# KiCad board pcb.kicad_pcb (continued)
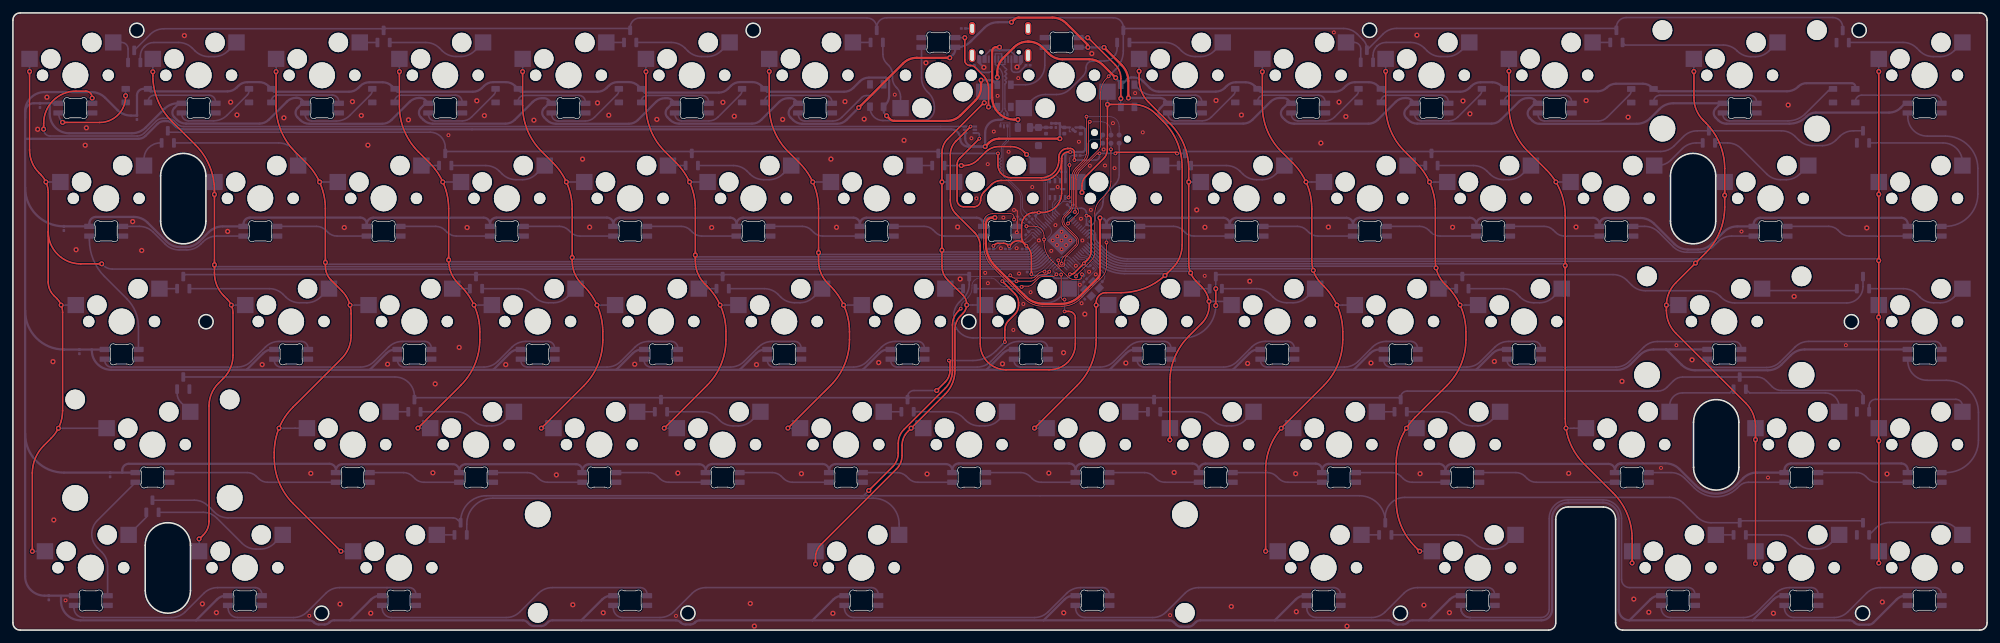
[diagram p0: board, top side]
## Nets
+1V1: C26.2 C33.1 C35.1 U6.23 U6.45 U6.50
+3.3V: C1.1 C25.2 C27.1 C28.1 C29.1 C30.1 C31.1 C32.1 C34.1 C40.1 J1.1 R17.1 U1.8 U6.1 U6.10 U6.22 U6.33 U6.42 U6.43 U6.44 U6.48 U6.49 U7.6 U8.1
GND: C1.2 C9.2 C10.2 C11.2 C12.2 C13.2 C14.2 C15.2 C16.2 C23.1 C24.1 C25.1 C26.1 C27.2 C28.2 C29.2 C30.2 C31.2 C32.2 C33.2 C34.2 C35.2 C39.2 C40.2 D1.1 D2.1 D3.1 D4.1 D5.1 D6.1 D7.1 D8.1 D9.1 D10.1 D11.1 D12.1 D13.1 D14.1 D15.3 D16.3 D17.3 D18.3 D19.3 D20.3 D21.3 D22.3 D23.3 D24.3 D25.3 D26.3 D27.3 D28.3 D29.3 D30.3 D31.3 D32.3 D33.3 D34.3 D35.3 D36.3 D37.3 D38.3 D39.3 D40.3 D41.3 D42.3 D43.3 D44.3 D45.3 D46.3 D47.3 D48.3 D49.3 D50.3 D51.3 D52.3 D53.3 D54.3 D55.3 D56.3 D57.3 D58.3 D59.3 D60.3 D61.3 D62.3 D63.3 D64.3 D65.3 D66.3 D67.3 D68.3 D69.3 D70.3 D71.3 D72.3 D73.3 D74.3 D75.3 D76.3 D77.3 D78.3 D79.3 D80.3 D81.3 D82.3 D83.3 D120.1 FB2.2 J1.5 J2.A1 J2.A12 J2.B1 J2.B12 R3.2 R4.2 U1.4 U1.9 U1.10 U2.2 U6.19 U6.57 U7.2 U8.2 U8.5 Y2.2 Y2.4
VCC: C9.1 C10.1 C11.1 C12.1 C13.1 C14.1 C16.1 C39.1 D1.3 D2.3 D3.3 D4.3 D5.3 D6.3 D7.3 D8.3 D9.3 D10.3 D11.3 D12.3 D13.3 D14.3 D15.1 D16.1 D17.1 D18.1 D19.1 D20.1 D21.1 D22.1 D23.1 D24.1 D25.1 D26.1 D27.1 D28.1 D29.1 D30.1 D31.1 D32.1 D33.1 D34.1 D35.1 D36.1 D37.1 D38.1 D39.1 D40.1 D41.1 D42.1 D43.1 D44.1 D45.1 D46.1 D47.1 D48.1 D49.1 D50.1 D51.1 D52.1 D53.1 D54.1 D55.1 D56.1 D57.1 D58.1 D59.1 D60.1 D61.1 D62.1 D63.1 D64.1 D65.1 D66.1 D67.1 D68.1 D69.1 D70.1 D71.1 D72.1 D73.1 D74.1 D75.1 D76.1 D77.1 D78.1 D79.1 D80.1 D81.1 D82.1 D83.1 FB1.2 U2.5 U7.1 U8.3 U8.4
/BOOT: J1.6 R5.2
/D+: R1.2 U6.46
/D-: R2.2 U6.47
/QSPI_CLK: U1.6 U6.52
/QSPI_CS: R5.1 R17.2 U1.1 U6.56
/QSPI_SD0: U1.5 U6.53
/QSPI_SD1: U1.2 U6.55
/QSPI_SD2: U1.3 U6.54
/QSPI_SD3: U1.7 U6.51
/RGB_5V: D15.4 U7.3
/RGB_DO: U6.29 U7.4
/RST: J1.3 U6.26
/SWD_CLK: J1.4 U6.24
/SWD_IO: J1.2 U6.25
/USB/PORT+: J2.A6 J2.B6 U2.6
/USB/PORT-: J2.A7 J2.B7 U2.4
/USB/USB+: R1.1 U2.1
/USB/USB-: R2.1 U2.3
C0: MX1.1 MX16.1 MX31.1 MX45.1 MX59.1 U6.34
C1: MX2.1 MX17.1 MX32.1 MX60.1 U6.35
C2: MX3.1 MX18.1 MX33.1 MX46.1 MX61.1 U6.36
C3: MX4.1 MX19.1 MX34.1 MX47.1 U6.37
C4: MX5.1 MX20.1 MX35.1 MX48.1 U6.38
C5: MX6.1 MX21.1 MX36.1 MX49.1 U6.39
C6: MX7.1 MX22.1 MX37.1 MX50.1 U6.40
C7: MX8.1 MX23.1 MX38.1 MX51.1 MX62.1 U6.41
C8: MX9.1 MX24.1 MX39.1 MX52.1 U6.18
C9: MX10.1 MX25.1 MX40.1 MX53.1 U6.17
C10: MX11.1 MX26.1 MX41.1 MX54.1 MX63.1 U6.16
C11: MX12.1 MX27.1 MX42.1 MX55.1 MX64.1 U6.15
C12: MX13.1 MX28.1 MX56.1 MX65.1 U6.14
C13: MX14.1 MX29.1 MX43.1 MX57.1 MX66.1 U6.13
C14: MX15.1 MX30.1 MX44.1 MX58.1 MX67.1 U6.12
R0: D84.3 D85.3 D86.3 D87.3 D88.3 D89.3 D90.3 D91.3 U6.2
R1: D92.3 D93.3 D94.3 D95.3 D96.3 D97.3 D98.3 D99.3 U6.3
R2: D100.3 D101.3 D102.3 D103.3 D104.3 D105.3 D106.3 U6.32
R3: D107.3 D108.3 D109.3 D110.3 D111.3 D112.3 D113.3 D114.3 U6.31
R4: D115.3 D116.3 D117.3 D118.3 D119.3 U6.30
Net-(C24-Pad2): C24.2 R20.1 Y2.1
Net-(D1-DIN): D1.2 D15.2
Net-(D1-DOUT): D1.4 D16.4
Net-(D10-DIN): D10.2 D24.2
Net-(D10-DOUT): D10.4 D25.4
Net-(D11-DIN): D11.2 D25.2
Net-(D11-DOUT): D11.4 D26.4
Net-(D12-DIN): D12.2 D26.2
Net-(D12-DOUT): D12.4 D27.4
Net-(D13-DIN): D13.2 D27.2
Net-(D13-DOUT): D13.4 D28.4
Net-(D14-DIN): D14.2 D28.2
Net-(D14-DOUT): D14.4 D29.4
Net-(D16-DOUT): D2.2 D16.2
Net-(D17-DIN): D2.4 D17.4
Net-(D17-DOUT): D3.2 D17.2
Net-(D18-DIN): D3.4 D18.4
Net-(D18-DOUT): D4.2 D18.2
Net-(D19-DIN): D4.4 D19.4
Net-(D19-DOUT): D5.2 D19.2
Net-(D20-DIN): D5.4 D20.4
Net-(D20-DOUT): D6.2 D20.2
Net-(D21-DIN): D6.4 D21.4
Net-(D21-DOUT): D7.2 D21.2
Net-(D22-DIN): D7.4 D22.4
Net-(D22-DOUT): D8.2 D22.2
Net-(D23-DIN): D8.4 D23.4
Net-(D23-DOUT): D9.2 D23.2
Net-(D24-DIN): D9.4 D24.4
Net-(D29-DOUT): D29.2 D44.4
Net-(D30-DIN): D30.4 D31.2
Net-(D30-DOUT): D30.2 D45.4
Net-(D31-DIN): D31.4 D32.2
Net-(D32-DIN): D32.4 D33.2
Net-(D33-DIN): D33.4 D34.2
Net-(D34-DIN): D34.4 D35.2
Net-(D35-DIN): D35.4 D36.2
Net-(D36-DIN): D36.4 D37.2
Net-(D37-DIN): D37.4 D38.2
Net-(D38-DIN): D38.4 D39.2
Net-(D39-DIN): D39.4 D40.2
Net-(D40-DIN): D40.4 D41.2
Net-(D41-DIN): D41.4 D42.2
Net-(D42-DIN): D42.4 D43.2
Net-(D43-DIN): D43.4 D44.2
Net-(D45-DOUT): D45.2 D46.4
Net-(D46-DOUT): D46.2 D47.4
Net-(D47-DOUT): D47.2 D48.4
Net-(D48-DOUT): D48.2 D49.4
Net-(D49-DOUT): D49.2 D50.4
Net-(D50-DOUT): D50.2 D51.4
Net-(D51-DOUT): D51.2 D52.4
Net-(D52-DOUT): D52.2 D53.4
Net-(D53-DOUT): D53.2 D54.4
Net-(D54-DOUT): D54.2 D55.4
Net-(D55-DOUT): D55.2 D56.4
Net-(D56-DOUT): D56.2 D57.4
Net-(D57-DOUT): D57.2 D58.4
Net-(D58-DOUT): D58.2 D72.4
Net-(D59-DIN): D59.4 D60.2
Net-(D59-DOUT): D59.2 D73.4
Net-(D60-DIN): D60.4 D61.2
Net-(D61-DIN): D61.4 D62.2
Net-(D62-DIN): D62.4 D63.2
Net-(D63-DIN): D63.4 D64.2
Net-(D64-DIN): D64.4 D65.2
Net-(D65-DIN): D65.4 D66.2
Net-(D66-DIN): D66.4 D67.2
Net-(D67-DIN): D67.4 D68.2
Net-(D68-DIN): D68.4 D69.2
Net-(D69-DIN): D69.4 D70.2
Net-(D70-DIN): D70.4 D71.2
Net-(D71-DIN): D71.4 D72.2
Net-(D73-DOUT): D73.2 D74.4
Net-(D74-DOUT): D74.2 D75.4
Net-(D75-DOUT): D75.2 D76.4
Net-(D76-DOUT): D76.2 D77.4
Net-(D77-DOUT): D77.2 D78.4
Net-(D78-DOUT): D78.2 D79.4
Net-(D79-DOUT): D79.2 D80.4
Net-(D80-DOUT): D80.2 D81.4
Net-(D81-DOUT): D81.2 D82.4
Net-(D82-DOUT): D82.2 D83.4
Net-(D84-A1): D84.1 MX2.2
Net-(D84-A2): D84.2 MX1.2
Net-(D85-A1): D85.1 MX4.2
Net-(D85-A2): D85.2 MX3.2
Net-(D86-A1): D86.1 MX6.2
Net-(D86-A2): D86.2 MX5.2
Net-(D87-A1): D87.1 MX8.2
Net-(D87-A2): D87.2 MX7.2
Net-(D88-A1): D88.1 MX10.2
Net-(D88-A2): D88.2 MX9.2
Net-(D89-A1): D89.1 MX12.2
Net-(D89-A2): D89.2 MX11.2
Net-(D90-A1): D90.1 MX14.2
Net-(D90-A2): D90.2 MX13.2
Net-(D91-A1): D91.1 MX15.2
Net-(D92-A1): D92.1 MX17.2
Net-(D92-A2): D92.2 MX16.2
Net-(D93-A1): D93.1 MX19.2
Net-(D93-A2): D93.2 MX18.2
Net-(D94-A1): D94.1 MX21.2
Net-(D94-A2): D94.2 MX20.2
Net-(D95-A1): D95.1 MX23.2
Net-(D95-A2): D95.2 MX22.2
Net-(D96-A1): D96.1 MX25.2
Net-(D96-A2): D96.2 MX24.2
Net-(D97-A1): D97.1 MX27.2
Net-(D97-A2): D97.2 MX26.2
Net-(D98-A1): D98.1 MX29.2
Net-(D98-A2): D98.2 MX28.2
Net-(D99-A1): D99.1 MX30.2
Net-(D100-A1): D100.1 MX32.2
Net-(D100-A2): D100.2 MX31.2
Net-(D101-A1): D101.1 MX34.2
Net-(D101-A2): D101.2 MX33.2
Net-(D102-A1): D102.1 MX36.2
Net-(D102-A2): D102.2 MX35.2
Net-(D103-A1): D103.1 MX38.2
Net-(D103-A2): D103.2 MX37.2
Net-(D104-A1): D104.1 MX40.2
Net-(D104-A2): D104.2 MX39.2
Net-(D105-A1): D105.1 MX42.2
Net-(D105-A2): D105.2 MX41.2
Net-(D106-A1): D106.1 MX44.2
Net-(D106-A2): D106.2 MX43.2
Net-(D107-A2): D107.2 MX45.2
Net-(D108-A1): D108.1 MX47.2
Net-(D108-A2): D108.2 MX46.2
Net-(D109-A1): D109.1 MX49.2
Net-(D109-A2): D109.2 MX48.2
Net-(D110-A1): D110.1 MX51.2
Net-(D110-A2): D110.2 MX50.2
Net-(D111-A1): D111.1 MX53.2
Net-(D111-A2): D111.2 MX52.2
Net-(D112-A1): D112.1 MX55.2
Net-(D112-A2): D112.2 MX54.2
Net-(D113-A1): D113.1 MX57.2
Net-(D113-A2): D113.2 MX56.2
Net-(D114-A1): D114.1 MX58.2
Net-(D115-A1): D115.1 MX60.2
Net-(D115-A2): D115.2 MX59.2
Net-(D116-A1): D116.1 MX62.2
Net-(D116-A2): D116.2 MX61.2
Net-(D117-A1): D117.1 MX64.2
Net-(D117-A2): D117.2 MX63.2
Net-(D118-A1): D118.1 MX66.2
Net-(D118-A2): D118.2 MX65.2
Net-(D119-A1): D119.1 MX67.2
Net-(D120-A2): C15.1 D120.2 F1.2 FB1.1
Net-(F1-Pad1): F1.1 J2.A4 J2.A9 J2.B4 J2.B9
Net-(J2-CC1): J2.A5 R3.1
Net-(J2-CC2): J2.B5 R4.1
Net-(J2-SHIELD): FB2.1 J2.S1
Net-(U6-XTAL_IN): C23.2 U6.20 Y2.3
Net-(U6-XTAL_OUT): R20.2 U6.21

Pads without a net: D83 2; D91 2; D99 2; D107 1; D114 2; D119 2; J2 A8 B8 S2 S3 S4; U6 4 5 6 7 8 9 11 27 28; U7 5

## Via types
v1: diameter 0.8, hole 0.4, Top to Bottom, 222 vias
v2: diameter 0.6, hole 0.3, Top to Bottom, 106 vias

## Routing (per net, layer and track width the routed paths; a pad name or vN(x,y) marks a point on that pad's centre or on a via; arc(x,y) is an arc through that point)
+1V1: length 25.4
  Top w0.128: v2(165.19,55.06) 165.19,54.73 arc(165.05,54.38) 164.69,54.23 164.06,54.23 arc(163.5,54.34) 163.02,54.66 162.82,54.86 162.82,54.86 160.5,57.19 arc(159.63,58.49) 159.33,60.02 v2(159.33,60.44) 159.33,61 arc(158.89,62.06) 157.83,62.5 v2(156.6,62.5)
  Bottom w0.128: C33.1 156.6,62.63 v2(156.6,62.5) 156.6,62.2 arc(156.64,62) 156.75,61.83 C26.2 157.21,61.86 arc(157.56,62.01) 157.92,61.86 U6.45 ; U6.23 165.44,56.03 arc(165.7,55.43) C35.1 165.44,54.82 v2(165.19,55.06) ; v2(159.33,60.44) 159.48,60.29 160.19,61 arc(160.48,61.71) 160.19,62.42 U6.50
+3.3V: length 144.2
  Top w0.25: v2(163.32,55.06) 163.52,55.06 arc(163.78,55.11) 164,55.26 v2(165.48,56.74) 166.02,57.28 arc(166.45,57.93) 166.61,58.69 166.61,63.62 arc(166.46,63.97) 166.11,64.12 v2(165.89,64.12) ; v2(151.51,59.45) 151.67,59.62 arc(151.93,59.79) 152.24,59.85 153.1,59.85 arc(153.41,59.79) 153.67,59.62 153.89,59.4 v2(153.95,59.4) 153.95,59.4 154.42,59.87 arc(155.31,60.24) 156.2,59.87 v2(156.6,59.47) ; v2(156.6,59.47) 156.79,59.28 arc(157.22,58.63) 157.38,57.86 v2(157.38,55.09) ; v2(156.6,59.47) 156.32,59.75 arc(155.98,60.26) 155.86,60.86 155.86,62.62 arc(156.44,64.03) 157.86,64.62 v2(158.53,64.62) 159.05,64.62 arc(161.17,65.5) 162.05,67.62 162.05,72.98 ; v2(163.37,73.98) 163.05,73.98 arc(162.34,73.68) 162.05,72.98 ; 162.05,72.98 162.05,72.58 arc(161.17,70.46) 159.05,69.58 152.7,69.58 arc(151.9,69.42) 151.22,68.97 150.07,67.81 arc(149.67,67.21) 149.53,66.5 arc(149.23,65.79) 148.53,65.5 146.89,65.5 arc(146.19,65.79) 145.89,66.5 145.89,72.03 arc(146,72.56) 146.3,73.02 v2(149.34,76.05)
  Bottom w0.128: C25.2 151.78,58.97 152.47,59.67 arc(152.64,59.78) 152.83,59.81 153.94,59.81 arc(154.13,59.85) 154.29,59.96 154.54,60.21 arc(154.71,60.32) 154.9,60.36 156.11,60.36 arc(156.3,60.4) 156.46,60.51 157.44,61.49 arc(157.59,61.55) 157.73,61.49 U6.44 ; C30.1 157.73,55.4 arc(158.5,55.55) 159.15,55.99 U6.33 ; U6.49 158,64.04 C27.1 158,63.68 arc(158.04,63.49) 158.15,63.33 U6.48 ; U6.22 164.66,57.38 165.14,57.38 arc(165.53,57.3) 165.85,57.09 C29.1 ; U6.42 157.16,59.08 arc(157.03,59) 156.88,58.97 156.61,58.97 C31.1 ; C34.1 154.24,58.98 154.98,59.73 arc(155.31,59.94) 155.69,60.02 156.49,60.02 arc(156.88,60.1) 157.2,60.31 U6.43 ; U6.1 163.41,65.34 C32.1 ; 165.96,62.8 165.96,62.8 U6.10
  Bottom w0.25: C27.1 158.52,64.62 v2(158.53,64.62) ; R17.1 C32.1 163.47,65.28 165.09,65.28 arc(165.65,65.05) 165.89,64.48 v2(165.89,64.12) 165.89,62.84 C28.1 166.03,62.69 arc(166.39,62.55) 166.74,62.69 166.94,62.9 arc(167.16,63.22) 167.24,63.6 167.24,63.8 arc(167.31,64.18) 167.53,64.5 167.86,64.83 arc(168.29,65.48) 168.45,66.25 168.45,66.3 arc(168.6,67.06) 169.03,67.71 170.35,69.03 arc(170.78,69.68) 170.94,70.44 J1.1 ; C34.1 153.95,59.03 v2(153.95,59.4) ; C30.1 157.38,54.88 157.39,54.87 160.34,54.87 arc(160.5,54.84) 160.63,54.75 160.82,54.56 arc(160.95,54.47) 161.11,54.44 162.92,54.44 arc(163.2,54.56) 163.32,54.84 v2(163.32,55.06) ; v2(156.6,59.47) C31.1 ; C29.1 166.5,56.43 166.36,56.29 arc(166.15,56.2) 165.93,56.29 v2(165.48,56.74) ; v2(151.51,59.45) C25.2 ; U7.6 149.11,76.92 arc(149.27,76.85) 149.34,76.7 v2(149.34,76.05)
  Bottom w0.35: 164.22,77.78 165.23,77.78 arc(165.58,77.63) 165.73,77.28 165.73,74.48 arc(165.58,74.12) 165.23,73.98 163.11,73.98 arc(162.77,73.83) 162.62,73.49 U1.8
GND: length 11.6
  Top w0.128: v2(155.12,61.54) 155.2,61.62 155.2,64.79 arc(155.14,64.94) 154.99,65 v2(154.69,65)
  Bottom w0.128: v2(165.14,50.57) 164.91,50.8 arc(164.74,51.05) 164.68,51.35 164.68,53.89 arc(164.71,54.04) 164.8,54.17 C35.2
  Bottom w0.35: v1(150.03,87.07) 149.34,87.76 J2.A1 ; U8.5 164.1,77.13 U8.2 ; J2.A12 155.74,87.7 v1(155.16,87.12)
  vias: v1(3.82,77.49) v1(5.25,82.45) v1(6.19,41.54) v1(6.31,17.04) v1(9.76,58.86) v1(11.17,75.02) v1(11.35,77.72) v1(18.5,63.21) v1(19.9,58.74) v1(26.49,91.99) v1(29.28,4.06) v1(31.44,2.7) v1(33.18,61.69) v1(33.64,81.69) v1(34.62,79.72) v1(38.52,41.08) v1(41.87,79.27) v1(46.03,24.25) v1(50.55,4.02) v1(51.2,62.29) v1(52.46,81.77) v1(53.83,79.62) v1(54.85,75.04) v1(55.29,2.61) v1(57.89,41.14) v1(61.12,78.96) v1(64.89,24.34) v1(65.25,38.1) v1(68.96,43.74) v1(70.18,62.29) v1(71.68,81.9) v1(72.85,79.61) v1(76.15,41.08) v1(80.5,78.9) v1(83.98,24.02) v1(86.52,3.92) v1(88.02,72.88) v1(89.11,62.35) v1(90.33,81.58) v1(91.22,2.68) v1(92.07,79.67) v1(96.08,41.14) v1(99.5,79.02) v1(102.74,24.29) v1(107.97,62.29) v1(109.71,81.66) v1(111.47,79.52) v1(113.94,4.11) v1(114.57,0.62) v1(114.9,41.08) v1(118.94,79.02) v1(121.84,24.2) v1(126.4,72.88) v1(126.7,2.59) v1(127.26,62.33) v1(128.57,81.78) v1(131.54,79.07) v1(133.78,41.39) v1(137.7,75.78) v1(141.08,87.79) v1(141.26,24.16) v1(145.97,62.37) v1(146.37,54.33) v1(152.91,41.2) v1(160.07,24.29) v1(162.35,42.92) v1(162.37,2.67) v1(165.63,48.89) v1(166.71,89.21) v1(171.97,41.33) v1(179.44,24.39) v1(182.92,65.02) v1(184.19,62.33) v1(185.91,81.95) v1(188.27,3.64) v1(189.83,79.7) v1(190.79,41.26) v1(191.12,53.99) v1(198.21,24.2) v1(198.32,2.84) v1(202.11,75.36) v1(203.27,62.37) v1(204.91,81.7) v1(205.96,79.47) v1(206.14,0.61) v1(209.85,41.33) v1(216.95,92.06) v1(217.44,24.2) v1(218.03,3.85) v1(221.97,2.7) v1(222.46,62.33) v1(224.07,81.88) v1(225.14,79.89) v1(228.92,41.57) v1(240.4,24.25) v1(241.54,62.37) v1(243.1,81.94) v1(248.64,38.49) v1(249.59,79.37) v1(250.46,4.79) v1(252.78,2.76) v1(259.47,41.82) v1(272.04,2.6) v1(274.32,81.25) v1(275.24,51.63) v1(286.46,62.23) v1(288.87,4.34) v1(289.59,24.16) v2(8.13,4.6) v2(45.8,2.2) v2(67.3,76.58) v2(102.46,2.19) v2(136.27,82.85) v2(148.11,76.11) v2(148.88,66.81) v2(150.24,55.28) v2(150.63,72.1) v2(150.66,53.68) v2(151.57,77.15) v2(152.16,82.66) v2(152.66,59.09) v2(153.04,63.83) v2(153.85,74.01) v2(154.59,46.44) v2(155.1,59.1) v2(155.35,85.41) v2(155.47,55.17) v2(156.13,50.46) v2(157.25,52.28) v2(157.51,68.55) v2(158.53,60.3) v2(160.45,58.68) v2(160.69,60.29) v2(161.1,62.66) v2(161.39,60.93) v2(161.33,59.59) v2(161.44,68.57) v2(162.04,61.64) v2(162.04,60.29) v2(162.04,58.94) v2(162.68,60.94) v2(162.73,59.58) v2(163.38,60.29) v2(164.25,56.38) v2(164.72,75.56) v2(164.86,53.43) v2(165.04,63.65) v2(165.26,60.29) v2(166.29,55.44) v2(166.41,71.85) v2(166.57,65.02) v2(167.33,55.05) v2(168.55,74.37) v2(168.75,71.89) v2(169.98,78.44) v2(170.23,71.48) v2(173.4,83.09) v2(174.59,77.02) v2(178.81,2.31) v2(184.16,54.81) v2(204.12,92.49) v2(254.67,25.09) v2(257.05,44.08) v2(267.11,61.68) v2(271.2,23.6) v2(283.24,44.09)
VCC: length 2382.9
  Top w0.35: v1(135,79.59) 135.5,79.09 arc(135.82,78.87) 136.21,78.8 144.32,78.8 arc(145.47,79.02) 146.44,79.67 148.73,81.96 arc(149.38,82.93) 149.61,84.08 v1(149.61,85.09) ; v1(152.11,85.53) 152.11,86.36 arc(152.34,87.51) 152.99,88.48 154.69,90.18 arc(155.66,90.83) 156.81,91.06 156.95,91.06 arc(158.1,90.83) 159.08,90.18 160.05,89.2 arc(161.03,88.55) 162.18,88.32 166.3,88.32 arc(167.45,88.1) 168.42,87.45 v1(170.4,85.47) ; v1(168.6,90.16) 171.32,87.43 arc(172.09,86.29) 172.36,84.94 172.36,82.36 v1(172.38,82.34) ; v1(144.77,88.56) 139.66,88.56 arc(138.51,88.33) 137.54,87.68 v1(130.7,80.84) ; v1(161.78,76.04) 152.34,76.04 arc(151.52,75.88) 150.81,75.41 v1(150.23,74.82) ; v1(151.73,63.83) 151.34,63.83 arc(150.63,63.54) 150.34,62.83 150.34,59.82 arc(150.72,57.91) 151.8,56.28 156.43,51.65 arc(157.73,50.79) 159.26,50.48 161.98,50.48 arc(163.51,50.79) 164.81,51.65 167.68,54.53 arc(167.9,54.85) 167.97,55.23 167.97,63.83 ; v1(154.3,94.06) 154.72,94.49 arc(155.05,94.7) 155.43,94.78 160.63,94.78 arc(161.78,94.55) 162.75,93.9 166.11,90.55 v1(166.11,90.17)
  Bottom w0.128: U8.3 163.24,77.22 163.24,77.7 163.33,77.8
  Bottom w0.35: D29.1 292.4,81.52 291.7,80.82 arc(290.88,80.27) 289.91,80.08 278.59,80.08 arc(277.82,79.93) 277.17,79.49 277.12,79.44 arc(275.92,78.64) 274.51,78.36 264.78,78.36 arc(264.09,78.5) 263.51,78.89 263.1,79.29 arc(262.81,80) 263.1,80.71 263.92,81.52 D28.1 256.56,81.52 arc(255.42,81.29) 254.44,80.64 253.02,79.22 arc(252.05,78.57) 250.9,78.34 235.9,78.34 arc(235.31,78.46) 234.82,78.79 234.35,79.25 arc(234.06,79.96) 234.35,80.67 235.21,81.52 D27.1 235.13,82.04 arc(234.81,82.26) 234.42,82.33 234.11,82.33 arc(233.34,82.18) 232.69,81.75 229.91,78.96 arc(229.26,78.52) 228.49,78.37 217,78.37 arc(216.24,78.52) 215.59,78.96 215.29,79.25 arc(215,79.96) 215.29,80.67 216.15,81.52 D26.1 216.08,82.04 arc(215.76,82.26) 215.37,82.33 215.1,82.33 arc(214.33,82.18) 213.68,81.75 210.89,78.95 arc(210.24,78.51) 209.47,78.36 197.97,78.36 arc(197.21,78.51) 196.56,78.95 196.23,79.28 arc(195.94,79.98) 196.23,80.69 197.06,81.52 D25.1 197.02,82.05 arc(196.7,82.26) 196.31,82.34 195.74,82.34 arc(194.97,82.19) 194.32,81.76 191.53,78.96 arc(190.88,78.52) 190.11,78.37 179.07,78.37 arc(178.31,78.52) 177.66,78.96 177.28,79.34 arc(176.99,80.04) 177.28,80.75 178.05,81.52 D24.1 177.97,82.05 arc(177.65,82.26) 177.26,82.34 172.38,82.34 v1(172.38,82.34) ; 1.88,30.37 1.88,49.42 ; 1.88,30.37 1.88,8.33 arc(2.76,6.2) 4.88,5.33 9.43,5.33 ; 1.88,30.37 arc(3.64,26.12) 7.88,24.37 16.89,24.37 ; 1.88,49.42 1.88,68.48 ; 1.88,49.42 arc(3.64,45.17) 7.88,43.42 12.19,43.42 ; D51.1 135.29,43.42 arc(134.52,43.27) 133.87,42.83 131.31,40.27 ; 159.27,1.51 162.49,4.73 arc(163.14,5.17) 163.91,5.32 164.22,5.32 ; 159.27,1.51 123.55,1.51 ; 159.27,1.51 178.67,1.51 arc(179.05,1.44) 179.38,1.22 179.77,0.82 arc(180.1,0.61) 180.48,0.53 181.66,0.53 arc(182.05,0.61) 182.37,0.82 182.77,1.22 arc(183.09,1.44) 183.47,1.51 194.99,1.51 ; 12.19,43.42 12.19,43.27 arc(13.07,41.15) 15.19,40.27 36.1,40.27 ; 12.19,43.42 14.19,43.42 D45.1 ; 194.99,1.51 212.52,1.51 arc(212.9,1.44) 213.23,1.22 213.28,1.16 arc(213.61,0.95) 213.99,0.87 214.79,0.87 arc(215.18,0.95) 215.5,1.16 215.56,1.22 arc(215.88,1.44) 216.26,1.51 218.8,1.51 ; 194.99,1.51 198.21,4.73 arc(198.86,5.17) 199.63,5.32 199.94,5.32 ; D48.1 78.19,43.42 arc(77.42,43.27) 76.77,42.83 74.21,40.27 ; D56.1 230.07,43.42 arc(229.3,43.27) 228.65,42.83 226.09,40.27 ; 292.8,5.32 292.49,5.32 arc(291.72,5.17) 291.07,4.73 287.47,1.13 arc(287.15,0.92) 286.76,0.84 285.3,0.84 arc(284.92,0.92) 284.59,1.13 284.51,1.22 arc(284.18,1.44) 283.8,1.51 268.81,1.51 ; 268.81,1.51 272.03,4.73 arc(272.68,5.17) 273.45,5.32 273.76,5.32 ; 268.81,1.51 249.79,1.51 ; 188.5,40.27 191.06,42.83 arc(191.71,43.27) 192.48,43.42 D54.1 ; 188.5,40.27 207.17,40.27 ; 188.5,40.27 169.44,40.27 ; 28.3,1.51 10.43,1.51 arc(8.3,2.39) 7.43,4.51 7.43,5.31 ; 28.3,1.51 45.78,1.51 arc(46.16,1.44) 46.49,1.22 46.54,1.16 arc(46.87,0.95) 47.25,0.87 48.17,0.87 arc(48.56,0.95) 48.88,1.16 48.94,1.22 arc(49.26,1.44) 49.64,1.51 52.11,1.51 ; 28.3,1.51 31.52,4.73 arc(32.17,5.17) 32.94,5.32 33.25,5.32 ; 112.3,40.27 131.31,40.27 ; 112.3,40.27 93.22,40.27 ; 112.3,40.27 114.86,42.83 arc(115.51,43.27) 116.28,43.42 D50.1 ; 131.31,40.27 150.42,40.27 ; 92.78,5.32 92.47,5.32 arc(91.7,5.17) 91.05,4.73 87.83,1.51 ; 52.11,1.51 78.79,1.51 arc(79.17,1.44) 79.5,1.22 79.79,0.92 arc(80.12,0.71) 80.5,0.63 81.66,0.63 arc(82.05,0.71) 82.37,0.92 82.67,1.22 arc(82.99,1.44) 83.37,1.51 87.83,1.51 ; 52.11,1.51 55.33,4.73 arc(55.98,5.17) 56.75,5.32 57.06,5.32 ; 111.82,62.82 D35.1 111.82,62.82 ; 111.82,62.82 arc(111.53,63.53) 110.82,63.82 93.77,63.82 arc(93.07,63.53) 92.77,62.82 D34.1 92.77,62.83 arc(92.48,63.54) 91.77,63.83 74.72,63.83 arc(74.02,63.54) 73.72,62.83 D33.1 73.72,62.82 arc(73.43,63.53) 72.72,63.82 55.67,63.82 arc(54.97,63.53) 54.67,62.82 D32.1 54.67,62.83 arc(54.38,63.54) 53.67,63.83 36.62,63.83 arc(35.92,63.54) 35.62,62.83 D31.1 32.4,62.47 arc(31.25,62.24) 30.28,61.59 28.83,60.14 arc(27.85,59.49) 26.7,59.26 25.84,59.26 arc(24.69,59.49) 23.72,60.14 20.81,63.05 arc(19.83,63.7) 18.68,63.93 12.81,63.93 arc(12.1,63.64) 11.81,62.93 D30.1 11.81,62.48 7.88,62.48 arc(3.64,64.23) 1.88,68.48 ; 111.82,62.82 arc(112.12,63.53) 112.82,63.82 129.87,63.82 arc(130.58,63.53) 130.87,62.82 D36.1 130.87,62.81 arc(131.17,63.52) 131.87,63.81 148.92,63.81 arc(149.63,63.52) 149.92,62.81 D37.1 149.92,62.83 arc(150.22,63.54) 150.92,63.83 151.73,63.83 v1(151.73,63.83) ; 123.55,1.51 106.14,1.51 arc(105.76,1.44) 105.44,1.22 105.38,1.16 arc(105.06,0.95) 104.67,0.87 103.91,0.87 arc(103.53,0.95) 103.2,1.16 103.15,1.22 arc(102.82,1.44) 102.44,1.51 87.83,1.51 ; 123.55,1.51 126.77,4.73 arc(127.42,5.17) 128.19,5.32 128.5,5.32 ; 207.17,40.27 226.09,40.27 ; 207.17,40.27 209.73,42.83 arc(210.38,43.27) 211.15,43.42 D55.1 ; 226.09,40.27 247.86,40.27 arc(249,40.5) 249.98,41.15 251.37,42.54 arc(252.34,43.19) 253.49,43.42 255.44,43.42 ; v1(154.3,94.06) 152.21,94.06 arc(151.06,93.83) 150.09,93.18 147.97,91.06 arc(146.99,90.41) 145.84,90.18 D22.1 145.6,89.81 arc(145.52,89.42) 145.31,89.1 v1(144.77,88.56) ; D58.1 276.85,43.42 arc(275.7,43.19) 274.73,42.54 273.27,41.08 arc(272.29,40.43) 271.14,40.2 259.95,40.2 arc(258.8,40.43) 257.83,41.08 255.49,43.42 255.44,43.42 ; D47.1 59.12,43.42 arc(58.35,43.27) 57.7,42.83 55.14,40.27 ; D14.3 284.7,84.07 arc(284.53,84.47) 284.14,84.63 277.15,84.63 arc(276.46,84.49) 275.88,84.11 arc(275.07,83.57) 274.12,83.38 254.29,83.38 arc(253.9,83.45) 253.58,83.67 D13.3 253.29,83.95 arc(252.64,84.39) 251.88,84.54 247.71,84.54 arc(246.94,84.39) 246.29,83.95 arc(245.65,83.53) 244.89,83.38 230.81,83.38 D12.3 230,84.18 arc(229.35,84.62) 228.59,84.77 226.78,84.77 arc(226.01,84.62) 225.36,84.18 225.06,83.89 arc(224.41,83.45) 223.65,83.3 211.83,83.3 D11.3 210.93,84.19 arc(210.28,84.63) 209.52,84.78 207.38,84.78 arc(206.61,84.63) 205.96,84.19 205.65,83.89 arc(205,83.45) 204.24,83.3 192.78,83.3 D10.3 191.89,84.18 arc(191.24,84.62) 190.48,84.77 188.97,84.77 arc(188.2,84.62) 187.55,84.18 187.27,83.91 arc(186.62,83.47) 185.86,83.32 177.07,83.32 arc(176.3,83.47) 175.65,83.91 174.63,84.92 arc(173.98,85.36) 173.22,85.51 172.84,85.51 arc(172.46,85.43) 172.14,85.22 171.32,84.4 D9.3 171.2,84.61 170.4,85.41 v1(170.4,85.47) ; 1.88,68.48 1.88,76.02 ; 74.21,40.27 93.22,40.27 ; 74.21,40.27 55.14,40.27 ; D53.1 173.42,43.42 arc(172.65,43.27) 172,42.83 169.44,40.27 ; 16.89,24.37 18.95,24.37 D59.1 ; 16.89,24.37 16.89,24.73 arc(17.18,25.44) 17.89,25.73 48.91,25.73 arc(49.62,25.44) 49.91,24.73 D60.1 49.91,24.68 arc(50.2,25.39) 50.91,25.68 67.96,25.68 arc(68.67,25.39) 68.96,24.68 D61.1 68.96,24.67 arc(69.25,25.38) 69.96,25.67 87.01,25.67 arc(87.72,25.38) 88.01,24.67 D62.1 88.01,24.66 arc(88.3,25.37) 89.01,25.66 106.06,25.66 arc(106.77,25.37) 107.06,24.66 107.06,24.37 107.06,24.7 arc(107.35,25.41) 108.06,25.7 125.11,25.7 arc(125.82,25.41) 126.11,24.7 D64.1 126.11,24.69 arc(126.4,25.4) 127.11,25.69 144.16,25.69 arc(144.87,25.4) 145.16,24.69 D65.1 145.16,24.78 arc(145.45,25.49) 146.16,25.78 163.21,25.78 arc(163.92,25.49) 164.21,24.78 D66.1 164.21,24.77 arc(164.5,25.48) 165.21,25.77 182.26,25.77 arc(182.97,25.48) 183.26,24.77 D67.1 183.26,24.76 arc(183.55,25.47) 184.26,25.76 201.31,25.76 arc(202.02,25.47) 202.31,24.76 D68.1 202.31,24.72 arc(202.6,25.43) 203.31,25.72 220.36,25.72 arc(221.07,25.43) 221.36,24.72 D69.1 221.36,24.71 arc(221.65,25.42) 222.36,25.71 246.56,25.71 arc(247.26,25.42) 247.56,24.71 D70.1 247.56,24.8 247.56,24.89 247.59,25.06 247.65,25.22 247.73,25.37 247.85,25.51 247.98,25.62 248.13,25.71 248.3,25.77 248.47,25.8 248.56,25.8 255.37,25.8 arc(256.52,25.57) 257.5,24.92 260.01,22.41 arc(263.14,21.11) 266.27,22.41 267.35,23.49 arc(268.33,24.14) 269.48,24.37 D71.1 273.75,24.78 arc(274.04,25.49) 274.75,25.78 291.8,25.78 arc(292.51,25.49) 292.8,24.78 D72.1 ; D44.1 292.8,62.8 arc(292.51,63.51) 291.8,63.8 269.99,63.8 arc(269.28,63.51) 268.99,62.8 D43.1 266.47,62.47 arc(265.32,62.24) 264.35,61.59 262.53,59.77 arc(261.55,59.12) 260.4,58.89 258.83,58.89 arc(257.68,59.12) 256.71,59.77 253.59,62.89 arc(252.61,63.54) 251.46,63.77 246.17,63.77 arc(245.47,63.48) 245.17,62.77 D42.1 245.17,62.79 arc(244.88,63.5) 244.17,63.79 227.12,63.79 arc(226.42,63.5) 226.12,62.79 D41.1 226.12,62.8 arc(225.83,63.51) 225.12,63.8 208.07,63.8 arc(207.37,63.51) 207.07,62.8 D40.1 207.07,62.79 arc(206.78,63.5) 206.07,63.79 189.02,63.79 arc(188.32,63.5) 188.02,62.79 D39.1 188.02,62.8 arc(187.73,63.51) 187.02,63.8 169.97,63.8 arc(169.27,63.51) 168.97,62.8 D38.1 168.97,62.83 arc(168.77,63.44) 168.23,63.8 168.01,63.8 ; 1.88,76.02 1.88,79.26 ; 1.88,76.02 19.41,76.02 arc(19.98,76.14) 20.47,76.46 22.33,78.32 arc(22.81,78.65) 23.39,78.76 23.7,78.76 arc(24.28,78.65) 24.76,78.32 25.16,77.93 arc(25.64,77.6) 26.22,77.49 144.97,77.49 arc(145.96,77.08) 146.37,76.09 arc(146.74,75.19) 147.64,74.82 150.22,74.82 ; 1.88,79.26 1.88,80.16 arc(2.28,81.13) 3.24,81.53 5.7,81.53 ; 1.88,79.26 1.88,80.25 arc(2.76,82.37) 4.88,83.25 12.12,83.25 arc(13.27,83.02) 14.25,82.37 16.12,80.49 arc(17.1,79.84) 18.24,79.62 19.17,79.62 19.17,82.75 arc(19.46,83.46) 20.17,83.75 D1.3 21.27,83.36 33.15,83.36 arc(33.91,83.51) 34.56,83.95 34.82,84.2 arc(35.47,84.64) 36.24,84.79 38.06,84.79 arc(38.82,84.64) 39.47,84.2 D2.3 40.38,83.3 51.94,83.3 arc(52.7,83.45) 53.35,83.89 53.65,84.18 arc(54.3,84.62) 55.07,84.77 57.13,84.77 arc(57.89,84.62) 58.54,84.18 D3.3 59.43,83.3 71.06,83.3 arc(71.82,83.45) 72.47,83.89 72.79,84.2 arc(73.44,84.64) 74.21,84.79 76.18,84.79 arc(76.94,84.64) 77.59,84.2 78.03,83.77 D4.3 78.48,83.3 90.31,83.3 arc(91.07,83.45) 91.72,83.89 92.05,84.21 arc(92.7,84.65) 93.47,84.8 95.2,84.8 arc(95.96,84.65) 96.61,84.21 D5.3 97.66,83.17 109.07,83.17 arc(109.83,83.32) 110.48,83.75 110.94,84.21 arc(111.59,84.65) 112.36,84.8 114.25,84.8 arc(115.01,84.65) 115.66,84.21 116.12,83.76 D6.3 116.57,83.3 128.43,83.3 arc(129.19,83.45) 129.84,83.89 130.86,84.9 arc(131.51,85.34) 132.28,85.49 134.87,85.49 arc(135.24,85.34) 135.39,84.97 135.39,82.67 arc(135.23,81.9) 134.8,81.25 D7.3 134.54,80.46 arc(134.61,80.08) 134.83,79.76 v1(135,79.59) ; 169.44,40.27 150.42,40.27 ; U2.5 153.14,79.46 arc(152.99,79.11) 152.64,78.96 152.23,78.96 arc(150.81,78.37) 150.23,76.96 v1(150.23,74.82) 148.41,74.82 arc(147.51,75.19) 147.14,76.1 U7.1 ; 93.22,40.27 95.78,42.83 arc(96.43,43.27) 97.2,43.42 D49.1 ; v1(130.7,80.84) 128.79,78.93 arc(128.14,78.5) 127.37,78.34 121.96,78.34 arc(121.2,78.5) 120.55,78.93 120.15,79.32 arc(119.86,80.03) 120.15,80.74 120.94,81.52 D21.1 120.85,82.02 arc(120.53,82.24) 120.14,82.31 119.82,82.31 arc(119.05,82.16) 118.4,81.73 115.63,78.95 arc(114.98,78.51) 114.21,78.36 102.95,78.36 arc(102.19,78.51) 101.54,78.95 101.15,79.34 arc(100.86,80.04) 101.15,80.75 101.92,81.52 D20.1 101.8,82.02 arc(101.48,82.24) 101.09,82.31 100.79,82.31 arc(100.02,82.16) 99.37,81.73 96.58,78.93 arc(95.93,78.5) 95.16,78.34 83.9,78.34 arc(83.14,78.5) 82.49,78.93 82.07,79.34 arc(81.78,80.05) 82.07,80.76 82.84,81.52 D19.1 82.75,82.02 arc(82.43,82.24) 82.04,82.31 81.73,82.31 arc(80.96,82.16) 80.31,81.73 77.54,78.95 arc(76.89,78.51) 76.12,78.36 64.85,78.36 arc(64.09,78.51) 63.44,78.95 63.03,79.36 arc(62.74,80.06) 63.03,80.77 63.78,81.52 D18.1 64.2,81.52 63.67,82.05 arc(63.34,82.27) 62.96,82.34 62.73,82.34 arc(61.96,82.19) 61.31,81.76 58.49,78.93 arc(57.84,78.5) 57.07,78.34 45.8,78.34 arc(45.04,78.5) 44.39,78.93 43.96,79.35 arc(43.67,80.06) 43.96,80.77 44.72,81.52 D17.1 44.6,82.07 arc(44.28,82.29) 43.89,82.36 43.75,82.36 arc(42.98,82.21) 42.33,81.78 39.52,78.96 arc(38.87,78.52) 38.1,78.37 26.75,78.37 arc(25.99,78.52) 25.34,78.96 24.93,79.37 arc(24.64,80.07) 24.93,80.78 25.67,81.52 D16.1 25.51,81.52 arc(24.36,81.29) 23.39,80.64 20.51,77.76 arc(19.53,77.11) 18.38,76.88 8.69,76.88 arc(6.57,77.76) 5.69,79.88 5.69,81.51 5.7,81.53 ; v1(149.61,85.09) 150.99,85.09 arc(151.37,85.01) 151.69,84.79 D8.3 152.1,85.52 v1(152.11,85.53) ; 150.42,40.27 152.98,42.83 arc(153.63,43.27) 154.4,43.42 D52.1 ; 249.79,1.51 253.02,4.73 arc(253.67,5.17) 254.43,5.32 254.74,5.32 ; 249.79,1.51 arc(248.62,2) 248.14,3.17 248.14,17.26 arc(247.42,19) 245.68,19.72 240.35,19.72 arc(238.56,18.98) 237.82,17.19 237.82,3.12 arc(237.35,1.98) 236.21,1.51 218.8,1.51 ; 36.1,40.27 55.14,40.27 ; 36.1,40.27 38.66,42.83 arc(39.31,43.27) 40.08,43.42 D46.1 ; v1(168.6,90.16) 168.59,90.17 v1(166.11,90.17) 164.66,90.17 D23.1 ; 255.44,43.42 D57.1 ; 5.7,81.53 7.04,81.53 ; 161.78,78.42 161.17,78.42 C16.1 161.15,78.42 FB1.2 ; 161.78,78.42 161.78,78.28 arc(161.92,77.93) 162.28,77.78 C39.1 163.32,77.78 ; 161.78,78.42 v1(161.78,76.04) ; 223.75,5.32 223.44,5.32 arc(222.67,5.17) 222.02,4.73 218.8,1.51
  vias: v1(167.98,63.79)
/BOOT: length 5.8
  Bottom w0.128: 168.4,76.61 168.2,76.41 168.2,76.16 arc(168.15,76.02) 168,75.96 166.92,75.96 arc(166.35,75.73) 166.12,75.16 166.12,74.24 arc(165.88,73.67) 165.32,73.44 R5.2 ; 168.32,76.4 168.4,76.4
/D+: length 2.2
  Bottom w0.128: 157.03,63.15 157.19,63.15 U6.46
/D-: length 2.2
  Bottom w0.128: U6.47 157.5,63.41 157.5,63.62
/QSPI_CLK: length 8.6
  Bottom w0.128: U1.6 161.03,69.73 160.78,69.98 arc(160.62,70.08) 160.43,70.12 160.02,70.12 arc(159.71,69.99) 159.58,69.68 159.58,64.58 arc(159.65,64.19) 159.87,63.87 U6.52
/QSPI_CS: length 12.1
  Top w0.128: v2(163.12,66.94) 163.26,67.08 v2(163.26,71.96)
  Bottom w0.128: 162.19,66.31 162.62,66.75 U1.1 163.11,66.93 v2(163.12,66.94) ; 162.19,66.31 161.25,65.38 arc(161.16,65.23) 161.12,65.06 161.12,64.88 U6.56 ; 162.19,66.31 163.35,66.31 R17.2 ; v2(163.26,71.96) 163.26,72.94 arc(163.4,73.29) 163.76,73.44 R5.1
